# KiCad board middle.kicad_pcb (continued)
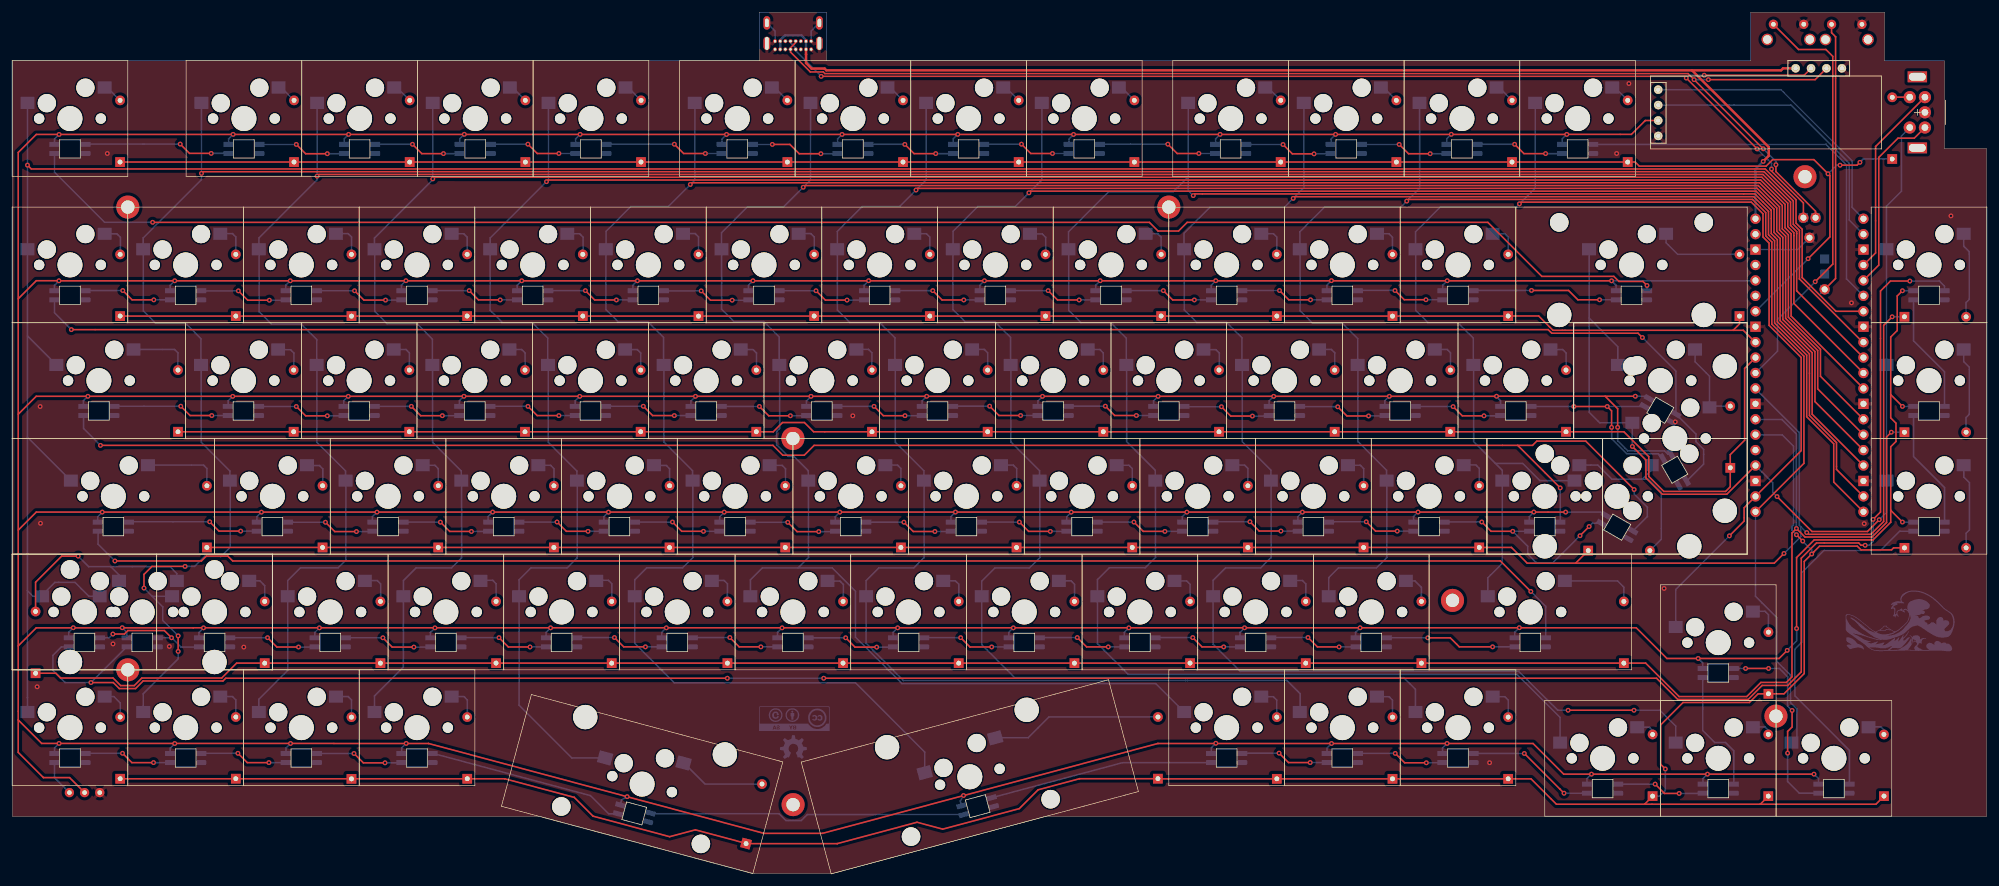
[diagram p0: board, top side]
## Routing (per net, layer and track width the routed paths; a pad name or vN(x,y) marks a point on that pad's centre or on a via; arc(x,y) is an arc through that point) (continued)
col07: length 381.5
  Top w0.254: U0.16 296.91,77.77 296.91,86 291.63,91.29 291.63,104.81 290.62,105.82 290.62,109.65 287.39,112.88 149.14,112.88 v1(148.87,112.61)
  Bottom w0.254: 150.2,64.73 150.2,52.08 148.5,50.38 142.73,50.38 140.64,48.29 KE7.1 ; 135.91,102.88 135.91,105.8 139.99,109.88 146.15,109.88 v1(148.87,112.61) 150.54,114.28 ; 140.64,45.7 140.64,37.97 146.77,31.84 209.96,31.84 212.13,29.67 212.13,26.68 ; KD7.1 150.16,66.38 145.45,71.09 145.45,83.74 ; 150.54,114.27 150.54,126.92 ; 145.4,83.85 145.4,88.27 142.86,90.81 137.94,90.81 135.91,92.84 135.91,102.89
col08: length 365.4
  Top w0.254: U0.17 296.46,75.68 296.46,85.81 291.17,91.1 291.17,104.62 290.17,105.63 290.17,109.46 287.21,112.42 167.73,112.42 v1(167.46,112.15)
  Bottom w0.254: 231.11,26.66 231.11,30.4 229.19,32.32 165.11,32.32 159.69,37.74 159.69,45.71 ; 154.96,102.88 154.96,105.8 159.04,109.88 165.19,109.88 v1(167.46,112.15) 169.59,114.28 ; 154.95,102.97 154.95,92.91 156.98,90.88 161.9,90.88 164.44,88.34 164.44,83.93 ; 164.5,83.74 164.5,71.09 169.21,66.38 KD8.1 ; 169.25,64.73 169.25,52.08 167.53,50.37 161.85,50.37 159.69,48.21 KE8.1 ; 169.59,114.27 169.59,126.92
col09: length 358.3
  Top w0.254: U0.19 300.46,66.6 300.46,71.02 296,75.48 296,85.62 290.72,90.91 290.72,104.44 289.71,105.44 289.71,109.27 287.02,111.97 194.79,111.97 v1(194.52,111.69)
  Bottom w0.254: 193.7,114.78 191.26,112.34 180.59,112.34 173.98,105.72 173.98,102.8 ; 193.7,114.78 193.7,126.93 ; 193.7,114.78 193.7,112.51 v1(194.52,111.69) ; KF9.1 254.94,25.75 247.85,32.84 183.81,32.84 178.75,37.9 178.75,45.71 ; KE9.1 178.74,48.45 180.69,50.4 186.6,50.4 188.3,52.09 188.3,64.74 ; 174.01,102.84 174.01,92.78 176.04,90.75 180.96,90.75 183.5,88.21 183.5,83.8 ; KD9.1 188.26,66.46 183.55,71.17 183.55,83.82
col10: length 340.5
  Top w0.254: U0.20 300.01,64.51 300.01,70.82 295.55,75.28 295.55,85.43 290.27,90.71 290.27,104.25 289.26,105.25 289.26,109.08 286.83,111.51 211.26,111.51 v1(210.99,111.23) ; v1(256.26,26.94) v1(267.11,26.94)
  Bottom w0.254: v1(267.11,26.94) 271.37,26.94 273.99,24.32 273.99,21.62 ; v1(256.26,26.94) 254.56,26.94 249.58,31.88 248.12,33.34 202.26,33.34 197.79,37.81 KE10.1 197.79,48.33 199.84,50.38 205.63,50.38 207.35,52.09 207.35,64.74 ; KD10.1 207.31,66.46 202.6,71.17 202.6,83.82 ; 193,102.78 193,105.49 197.26,109.75 209.5,109.75 v1(210.99,111.23) 212.75,113 212.75,126.93 ; 193.05,102.91 193.05,92.86 195.08,90.83 200,90.83 202.54,88.29 202.54,83.87
col11: length 269.7
  Top w0.254: U0.21 295.1,67.6 295.1,85.24 289.81,90.53 289.81,104.06 288.81,105.06 288.81,108.88 286.63,111.06 229.96,111.06 v1(229.69,110.78)
  Bottom w0.254: 221.65,83.82 221.65,71.17 226.36,66.46 KD11.1 ; 212.12,102.77 212.12,92.72 214.15,90.69 219.07,90.69 221.61,88.15 221.61,83.73 ; KE11.1 216.84,48.78 218.44,50.38 224.69,50.38 226.4,52.09 226.4,64.74 ; KF11.1 293.95,22.52 293.95,27.14 292.89,28.2 292.89,32.72 290.65,34.96 290.65,42.18 287.12,45.71 287.12,59.63 ; 231.8,126.93 231.8,112.9 v1(229.69,110.78) 228.71,109.81 216.16,109.81 212.08,105.73 212.08,102.81
col12: length 241
  Top w0.254: U0.22 285.25,60.29 285.25,58.09 v1(282.82,55.66) ; v1(248.24,110.33) 248.51,110.6 286.44,110.6 288.35,108.7 288.35,104.88 289.36,103.87 289.36,90.32 294.64,85.04 294.64,69.69 287.11,62.16
  Bottom w0.254: 273.99,40.64 273.99,46.83 v1(282.82,55.66) ; KC12.1 240.65,88.22 238.11,90.76 233.19,90.76 231.16,92.79 231.16,102.84 ; 245.42,64.77 245.42,51.14 243.03,48.75 KE12.1 ; 250.85,126.93 250.85,112.94 v1(248.24,110.33) 247.72,109.81 235.21,109.81 231.13,105.73 231.13,102.81 ; 240.7,83.82 240.7,71.17 244.29,67.58 ; 244.29,67.58 245.41,66.46 KD12.1 ; 244.29,67.58 248.79,67.58 251.62,64.75 KDb12.1
col13: length 168.6
  Top w0.254: v1(266.84,70.38) 269.07,68.15 269.07,65.21 271.77,62.51 282.39,62.51 U0.24 ; v1(307.5,58.32) 305.56,56.37 296.43,56.37 v1(290.68,62.12)
  Bottom w0.254: 264.44,83.82 264.44,86.81 259.73,91.52 ; KC13.1 266.84,70.38 v1(266.84,70.38) ; 259.73,91.52 259.73,76.01 261.46,74.28 266.84,74.28 ; 259.73,91.52 259.73,102.78 ; 308.69,102.85 308.69,109.95 311.16,112.42 311.16,121.53 SWA13.S2 ; v1(307.5,58.32) 308.7,59.52 KF13.1 ; v1(290.68,62.12) 289.97,62.83 289.97,64.39 U0.24 ; KD13.1 308.7,64.75
D+: length 206
  Top w0.25: v1(279.36,130.79) 296.95,130.79 JUSB2.2 ; U0.TP3 297.01,109.12 290.48,115.64 v1(290.48,116.78) ; USB.A6 128.19,135.31 131.45,132.05 133.59,132.05 133.86,131.78 276.01,131.78 v1(288.4,119.39)
  Top w0.254: 129.05,136.89 128.19,136.03
  Bottom w0.25: v1(290.48,116.78) 290.48,117.32 290.48,117.32 v1(288.4,119.39) ; v1(277.01,130.78) 277.02,130.79 v1(279.36,130.79)
D-: length 202.2
  Top w0.25: U0.TP2 295.01,110.48 289.76,115.73 v1(289.76,116.07) ; v1(287.39,119.38) 275.44,131.33 v1(133.24,131.33) ; v1(278.67,131.51) 295.13,131.51 JUSB2.3
  Bottom w0.25: v1(133.24,131.33) 129.04,135.52 129.04,135.77 ; v1(287.39,119.38) 289.76,117.01 v1(289.76,116.07) ; v1(278.67,131.51) 276.18,131.51 v1(275.72,131.05)
  Bottom w0.254: 129.06,136 128.2,136.85
ENCA: length 30.9
  Top w0.254: SWA13.A 313.27,121.15 310.6,121.15 307.42,117.97 307.42,100.24 U0.5
ENCB: length 31.8
  Top w0.254: SWA13.B 306.9,119.78 306.9,119.78 306.9,102.25 304.91,100.26
RESET: length 69.4
  Top w0.254: v1(296.95,97.51) 299.85,100.41 299.85,134.61 298.71,135.75 294.21,135.75 290.07,139.89
  Bottom w0.254: v1(296.95,97.51) 290.75,91.31 290.75,86.09 287.1,82.44
RGB_Matrix: length 65.9
  Bottom w0.254: U0.6 302.11,97.97 302.11,116.76 298.75,120.12 260.35,120.12
RGB_Out: length 6
  Bottom w0.254: 9.43,13.37 6.98,15.82 KF0.4
row00: length 322.4
  Top w0.254: v1(304.32,117.17) 303.85,116.7 v1(301.05,116.7) ; DA0.1 266.08,117.21 ; v1(295.78,101.3) 299.38,104.9 299.38,114.97 v1(299.07,115.28) 296.74,117.61 289.94,117.61 288.86,116.53 267.99,116.53 267.31,117.21 DA12.1
  Bottom w0.254: DA13.1 304.87,117.72 v1(304.32,117.17) ; U0.34 v1(295.78,101.3) ; v1(301.05,116.7) 300.49,116.7 v1(299.07,115.28)
row01: length 273.9
  Top w0.254: DB0.1 246.39,91.85 ; 287.1,87.52 285.11,89.51 283.44,89.51 ; 283.44,89.51 284.49,90.56 284.49,91.85 ; 283.44,89.51 253.77,89.51 251.41,91.87 246.38,91.87
row02: length 286.2
  Top w0.254: DC12.1 265.45,72.8 269.54,68.71 269.54,65.45 272.02,62.97 282.19,62.97 282.96,63.74 DC13.1 282.96,69.03 285.33,71.4 285.33,83.23 U0.31 ; DC0.1 125.35,72.8 126.87,74.32 130.48,74.32 132,72.8 255.91,72.8
row03: length 347.1
  Top w0.254: 257.5,51.16 290.21,51.16 v1(291.81,52.76) ; 257.5,51.16 DD12.1 ; 257.5,51.16 249.52,51.16 246.93,53.75 DD11.1 ; v1(295.56,56.19) 295.84,55.92 306.13,55.92 308.23,58.02 308.23,90.33 v1(309.63,91.73) ; DD0.1 241.63,53.75
  Bottom w0.254: 287.1,79.9 294.34,72.66 294.34,57.42 v1(295.56,56.19) ; DD13.1 309.64,91.74 v1(309.63,91.73) ; 294.59,57.17 294.59,55.54 291.81,52.76 v1(291.81,52.76)
row04: length 377.1
  Top w0.254: DE0.1 7.18,33.04 7.97,32.25 16.62,32.25 17.87,31 20.11,31 21.36,32.25 34.52,32.25 36.97,34.7 DE1.1 269.03,34.7 274.54,29.19 285.68,29.19 288.01,31.52 292.2,31.52 293.13,32.45 293.13,55.08 293.13,55.08 293.13,56.14 v1(293.86,56.87) 295.26,55.47 306.32,55.47 308.71,57.86 308.71,71.95 v1(309.49,72.73)
  Bottom w0.254: DE13.1 309.49,72.73 v1(309.49,72.73) ; v1(293.86,56.87) 293.86,72.44 291.48,74.82 287.1,74.82
row05: length 405.1
  Top w0.254: DF4.1 135.88,4.98 149.03,8.5 ; 268.85,11.47 254.33,11.47 250.15,15.65 DF8.1 188.72,15.65 ; 268.85,11.47 287.9,11.47 ; 268.85,11.47 268.86,11.47 270.19,12.8 ; DF0.1 74.97,15.66 ; DF13.1 309.86,53.69 309.53,53.35 304.5,53.35 303.89,53.96 297.67,53.96 296.7,53 296.7,52.99 v1(296.38,52.67) 295.15,51.44 295.15,32.99 291.81,29.65 DF12.1 287.55,29.65 286.12,28.22 275.19,28.22 271.51,24.54 271.51,18.03 v1(272.27,17.27) ; 168.97,13.84 175.8,15.67 175.8,15.67 DF5.1 ; DF3.1 81.12,15.66 81.12,15.66 92.58,12.59 92.58,12.59 95.67,9.5 108.29,6.12 ; v1(293.86,55.84) v1(294.9,54.8) ; 287.9,11.47 287.91,11.47 289.24,12.8 ; 287.9,11.47 306.96,11.47 308.3,12.81 ; 149.04,8.49 153.26,7.36 165.87,10.74 ; 112.51,7.25 108.29,6.12 ; 112.54,7.24 120.87,5.01 ; 168.97,13.83 165.88,10.74
  Bottom w0.254: v1(294.9,54.8) 296.38,53.32 v1(296.38,52.67) ; DF9.1 271.32,12.8 272.27,13.75 v1(272.27,17.27) ; 287.1,72.28 291.53,72.28 293.38,70.43 293.38,57.44 293.13,57.19 293.13,56.57 v1(293.86,55.84)
SCL: length 48.1
  Bottom w0.254: 304.91,105.31 302.56,107.66 302.56,117.02 292.98,126.6 271.08,126.6
SDA: length 47.1
  Bottom w0.254: 271.04,129.13 291.31,129.13 303.02,117.42 303.02,109.76 U0.1
Net-(DA0-A): length 3.4
  Bottom w0.254: 15.22,129.5 15.65,129.5 DA0.2
Net-(DA1-A): length 3.4
  Bottom w0.254: 43.87,129.51 44.29,129.51 DA1.2
Net-(DA2-A): length 3.4
  Bottom w0.254: 62.92,129.5 63.35,129.5 DA2.2
Net-(DA3-A): length 3.4
  Bottom w0.254: 81.97,129.5 82.4,129.5 DA3.2
Net-(DA4-A): length 3.5
  Bottom w0.254: DA4.2 101.44,129.51 101.01,129.51
Net-(DA5-A): length 3.4
  Bottom w0.254: 125.12,129.5 125.55,129.5 DA5.2
Net-(DA6-A): length 3.4
  Bottom w0.254: 144.17,129.49 144.61,129.49 DA6.2
Net-(DA7-A): length 3.4
  Bottom w0.254: 163.22,129.5 163.65,129.5 DA7.2
Net-(DA8-A): length 3.4
  Bottom w0.254: 182.27,129.5 182.7,129.5 DA8.2
Net-(DA9-A): length 3.4
  Bottom w0.254: DA9.2 206.81,129.49 206.38,129.49
Net-(DA10-A): length 3.4
  Bottom w0.254: DA10.2 225.85,129.5 225.43,129.5
Net-(DA11-A): length 3.4
  Bottom w0.254: 244.47,129.5 244.9,129.5 DA11.2
Net-(DA12-A): length 3.4
  Bottom w0.254: 263.53,129.5 263.95,129.5 DA12.2
Net-(DB0-A): length 5.6
  Bottom w0.254: 17.83,102 17.83,104.83 17.27,105.39 15.27,105.39
Net-(DB1-A): length 5.6
  Bottom w0.254: 36.84,102.04 36.84,104.87 36.28,105.43 34.28,105.43
Net-(DB2-A): length 5.6
  Bottom w0.254: 55.9,102.04 55.9,104.87 55.34,105.43 53.34,105.43
Net-(DB3-A): length 5.6
  Bottom w0.254: 74.94,102.02 74.94,104.85 74.38,105.41 72.38,105.41
Net-(DB4-A): length 5.6
  Bottom w0.254: 91.47,105.4 93.47,105.4 94.03,104.84 94.03,102.01
Net-(DB5-A): length 5.6
  Bottom w0.254: 113.04,102.05 113.04,104.88 112.48,105.44 110.48,105.44
Net-(DB6-A): length 5.6
  Bottom w0.254: 132.1,102.05 132.1,104.88 131.54,105.44 129.54,105.44
Net-(DB7-A): length 5.6
  Bottom w0.254: 151.14,102.03 151.14,104.86 150.58,105.42 148.58,105.42
Net-(DB8-A): length 5.6
  Bottom w0.254: 167.66,105.38 169.66,105.38 170.22,104.82 170.22,101.99
Net-(DB9-A): length 5.6
  Bottom w0.254: 189.23,102.03 189.23,104.86 188.67,105.42 186.67,105.42
Net-(DB10-A): length 5.6
  Bottom w0.254: 208.29,102.03 208.29,104.86 207.73,105.42 205.73,105.42
Net-(DB11-A): length 5.6
  Bottom w0.254: 224.77,105.4 226.77,105.4 227.33,104.84 227.33,102.01
Net-(DB12-A): length 5.6
  Bottom w0.254: 243.83,105.42 245.83,105.42 246.39,104.86 246.39,102.03
Net-(DB13-A): length 14.3
  Bottom w0.254: KB13.2 272.4,103.93 274.31,102.02 284.49,102.02
Net-(DC0-A): length 10.4
  Bottom w0.254: 19.99,86.36 26.75,86.36 27.31,85.8 27.31,82.97
Net-(DC1-A): length 5.6
  Bottom w0.254: 43.85,86.31 45.85,86.31 46.41,85.75 46.41,82.92
Net-(DC2-A): length 5.6
  Bottom w0.254: 65.42,82.96 65.42,85.79 64.86,86.35 62.86,86.35
Net-(DC3-A): length 5.6
  Bottom w0.254: 84.48,82.96 84.48,85.79 83.92,86.35 81.92,86.35
Net-(DC4-A): length 5.6
  Bottom w0.254: 103.52,82.94 103.52,85.77 102.96,86.33 100.96,86.33
Net-(DC5-A): length 5.6
  Bottom w0.254: 120.03,86.33 122.03,86.33 122.59,85.77 122.59,82.94
Net-(DC6-A): length 5.6
  Bottom w0.254: 141.6,82.98 141.6,85.81 141.04,86.37 139.04,86.37
Net-(DC7-A): length 5.6
  Bottom w0.254: 160.66,82.98 160.66,85.81 160.1,86.37 158.1,86.37
Net-(DC8-A): length 5.6
  Bottom w0.254: 177.14,86.35 179.14,86.35 179.7,85.79 179.7,82.96
Net-(DC9-A): length 5.6
  Bottom w0.254: 198.82,82.93 198.82,85.76 198.26,86.32 196.26,86.32
Net-(DC10-A): length 5.6
  Bottom w0.254: 215.27,86.36 217.27,86.36 217.83,85.8 217.83,82.97
Net-(DC11-A): length 5.6
  Bottom w0.254: 236.89,82.97 236.89,85.8 236.33,86.36 234.33,86.36
Net-(DC12-A): length 5.6
  Bottom w0.254: 255.93,82.95 255.93,85.78 255.37,86.34 253.37,86.34
Net-(DD0-A): length 12.8
  Bottom w0.254: 22.37,67.31 31.52,67.31 32.08,66.75 32.08,63.92
Net-(DD1-A): length 5.6
  Bottom w0.254: 51.17,63.85 51.17,66.68 50.61,67.24 48.61,67.24
Net-(DD2-A): length 5.6
  Bottom w0.254: 70.18,63.89 70.18,66.72 69.62,67.28 67.62,67.28
Net-(DD3-A): length 5.6
  Bottom w0.254: 86.68,67.28 88.68,67.28 89.24,66.72 89.24,63.89
Net-(DD4-A): length 5.6
  Bottom w0.254: 108.28,63.87 108.28,66.7 107.72,67.26 105.72,67.26
Net-(DD5-A): length 5.6
  Bottom w0.254: 124.81,67.27 126.81,67.27 127.37,66.71 127.37,63.88
Net-(DD6-A): length 5.6
  Bottom w0.254: 146.38,63.92 146.38,66.75 145.82,67.31 143.82,67.31
Net-(DD7-A): length 5.6
  Bottom w0.254: 162.88,67.31 164.88,67.31 165.44,66.75 165.44,63.92
Net-(DD8-A): length 5.6
  Bottom w0.254: 181.92,67.29 183.92,67.29 184.48,66.73 184.48,63.9
Net-(DD9-A): length 5.6
  Bottom w0.254: 200.97,67.32 202.97,67.32 203.53,66.76 203.53,63.93
Net-(DD10-A): length 5.6
  Bottom w0.254: 220.03,67.29 222.03,67.29 222.59,66.73 222.59,63.9
Net-(DD11-A): length 5.6
  Bottom w0.254: 239.07,67.33 241.07,67.33 241.63,66.77 241.63,63.94
Net-(DD13-A): length 14.3
  Bottom w0.254: 321.41,105.4 321.41,103.36 322.33,102.44 322.33,94.64 ; 321.79,91.66 321.79,94.07 322.33,94.61
Net-(DE1-A): length 5.5
  Bottom w0.254: 39.04,48.25 40.81,48.25 41.6,47.46 DE1.2
Net-(DE2-A): length 5.6
  Bottom w0.254: 58.13,48.3 60.13,48.3 60.69,47.74 60.69,44.91
Net-(DE3-A): length 5.6
  Bottom w0.254: 77.14,48.34 79.14,48.34 79.7,47.78 79.7,44.95
Net-(DE4-A): length 5.6
  Bottom w0.254: 98.76,44.95 98.76,47.78 98.2,48.34 96.2,48.34
Net-(DE5-A): length 5.6
  Bottom w0.254: 117.8,44.93 117.8,47.76 117.24,48.32 115.24,48.32
Net-(DE6-A): length 5.6
  Bottom w0.254: 136.9,44.82 136.9,47.65 136.34,48.21 134.34,48.21
Net-(DE7-A): length 5.6
  Bottom w0.254: 153.35,48.25 155.35,48.25 155.91,47.69 155.91,44.86
Net-(DE8-A): length 5.6
  Bottom w0.254: 174.97,44.86 174.97,47.69 174.41,48.25 172.41,48.25
Net-(DE9-A): length 5.6
  Bottom w0.254: 191.45,48.23 193.45,48.23 194.01,47.67 194.01,44.84
Net-(DE10-A): length 5.6
  Bottom w0.254: 210.5,48.31 212.5,48.31 213.06,47.75 213.06,44.92
Net-(DE11-A): length 5.3
  Bottom w0.254: DE11.2 232.1,47.17 231.02,48.24 KE11.2
Net-(DE12-A): length 12.5
  Bottom w0.254: 265.44,44.86 265.44,47.2 264.39,48.24 KE12.2
Net-(DE13-A): length 14.3
  Bottom w0.254: 321.41,86.4 321.41,84.36 322.33,83.44 322.33,75.67 ; 322.33,75.68 321.79,75.14 321.79,72.73 ; 321.4,86.35 321.4,86.35
Net-(DF0-A): length 5.3
  Bottom w0.254: KF0.2 16.75,29.19 17.81,28.14 17.81,25.82
Net-(DF1-A): length 5.6
  Bottom w0.254: 36.84,25.8 36.84,28.63 36.28,29.19 34.28,29.19
Net-(DF2-A): length 5.6
  Bottom w0.254: 53.33,29.19 55.33,29.19 55.89,28.63 55.89,25.8
Net-(DF3-A): length 5.6
  Bottom w0.254: 72.41,29.19 74.41,29.19 74.97,28.64 74.97,25.8
Net-(DF4-A): length 14.2
  Bottom w0.254: DF4.2 114.12,14.79 110.7,18.21
Net-(DF5-A): length 28.2
  Bottom w0.254: DF5.2 170.75,25.83 167.34,22.42 161.94,22.42
Net-(DF6-A): length 5.6
  Bottom w0.254: 208.27,25.78 208.27,28.62 207.71,29.17 205.71,29.17
Net-(DF7-A): length 5.6
  Bottom w0.254: 224.77,29.17 226.77,29.17 227.33,28.62 227.33,25.78
Net-(DF8-A): length 5.6
  Bottom w0.254: 243.84,29.17 245.84,29.17 246.4,28.62 246.4,25.78
Net-(DF9-A): length 3.4
  Bottom w0.254: 267.65,24.15 269.65,24.15 270.19,23.61 270.19,22.96
Net-(DF10-A): length 3.5
  Bottom w0.254: 289.24,22.96 289.24,23.65 288.7,24.19 286.7,24.19
Net-(DF11-A): length 3.5
  Bottom w0.254: 308.3,22.96 308.3,23.65 307.74,24.21 305.74,24.21
Net-(DF12-A): length 5.6
  Bottom w0.254: 286.69,43.24 288.69,43.24 289.25,42.68 289.25,39.85
Net-(DF13-A): length 14.3
  Bottom w0.254: DF13.2 321.81,56.09 322.35,56.63 322.35,64.42 321.43,65.34 321.43,67.38 ; 321.38,67.31 321.39,67.3

## Copper pours and planes (outline as drawn; the poured copper is in the pictures)
GND on Top: 337.19,-5.39 -7.34,-6.37 -6.87,144.9 336.77,145.25
GND on Bottom: 337.14,-5.45 -7.39,-6.43 -6.92,144.84 336.72,145.19

## Text on the board
B.Silkscreen: ISO | ANSI | RGB matrix / Output | VCC | GND | D- | +5V | D+ | Holes to solder to the back of the Pico. / Solder diodes' legs on the / Pico first to make it easier. | JLCJLCJLCJLC | Kanagawa - rev 2.0 by Ciaanh
